# Allegro board 6089-103-RevA_73.brd (continued)
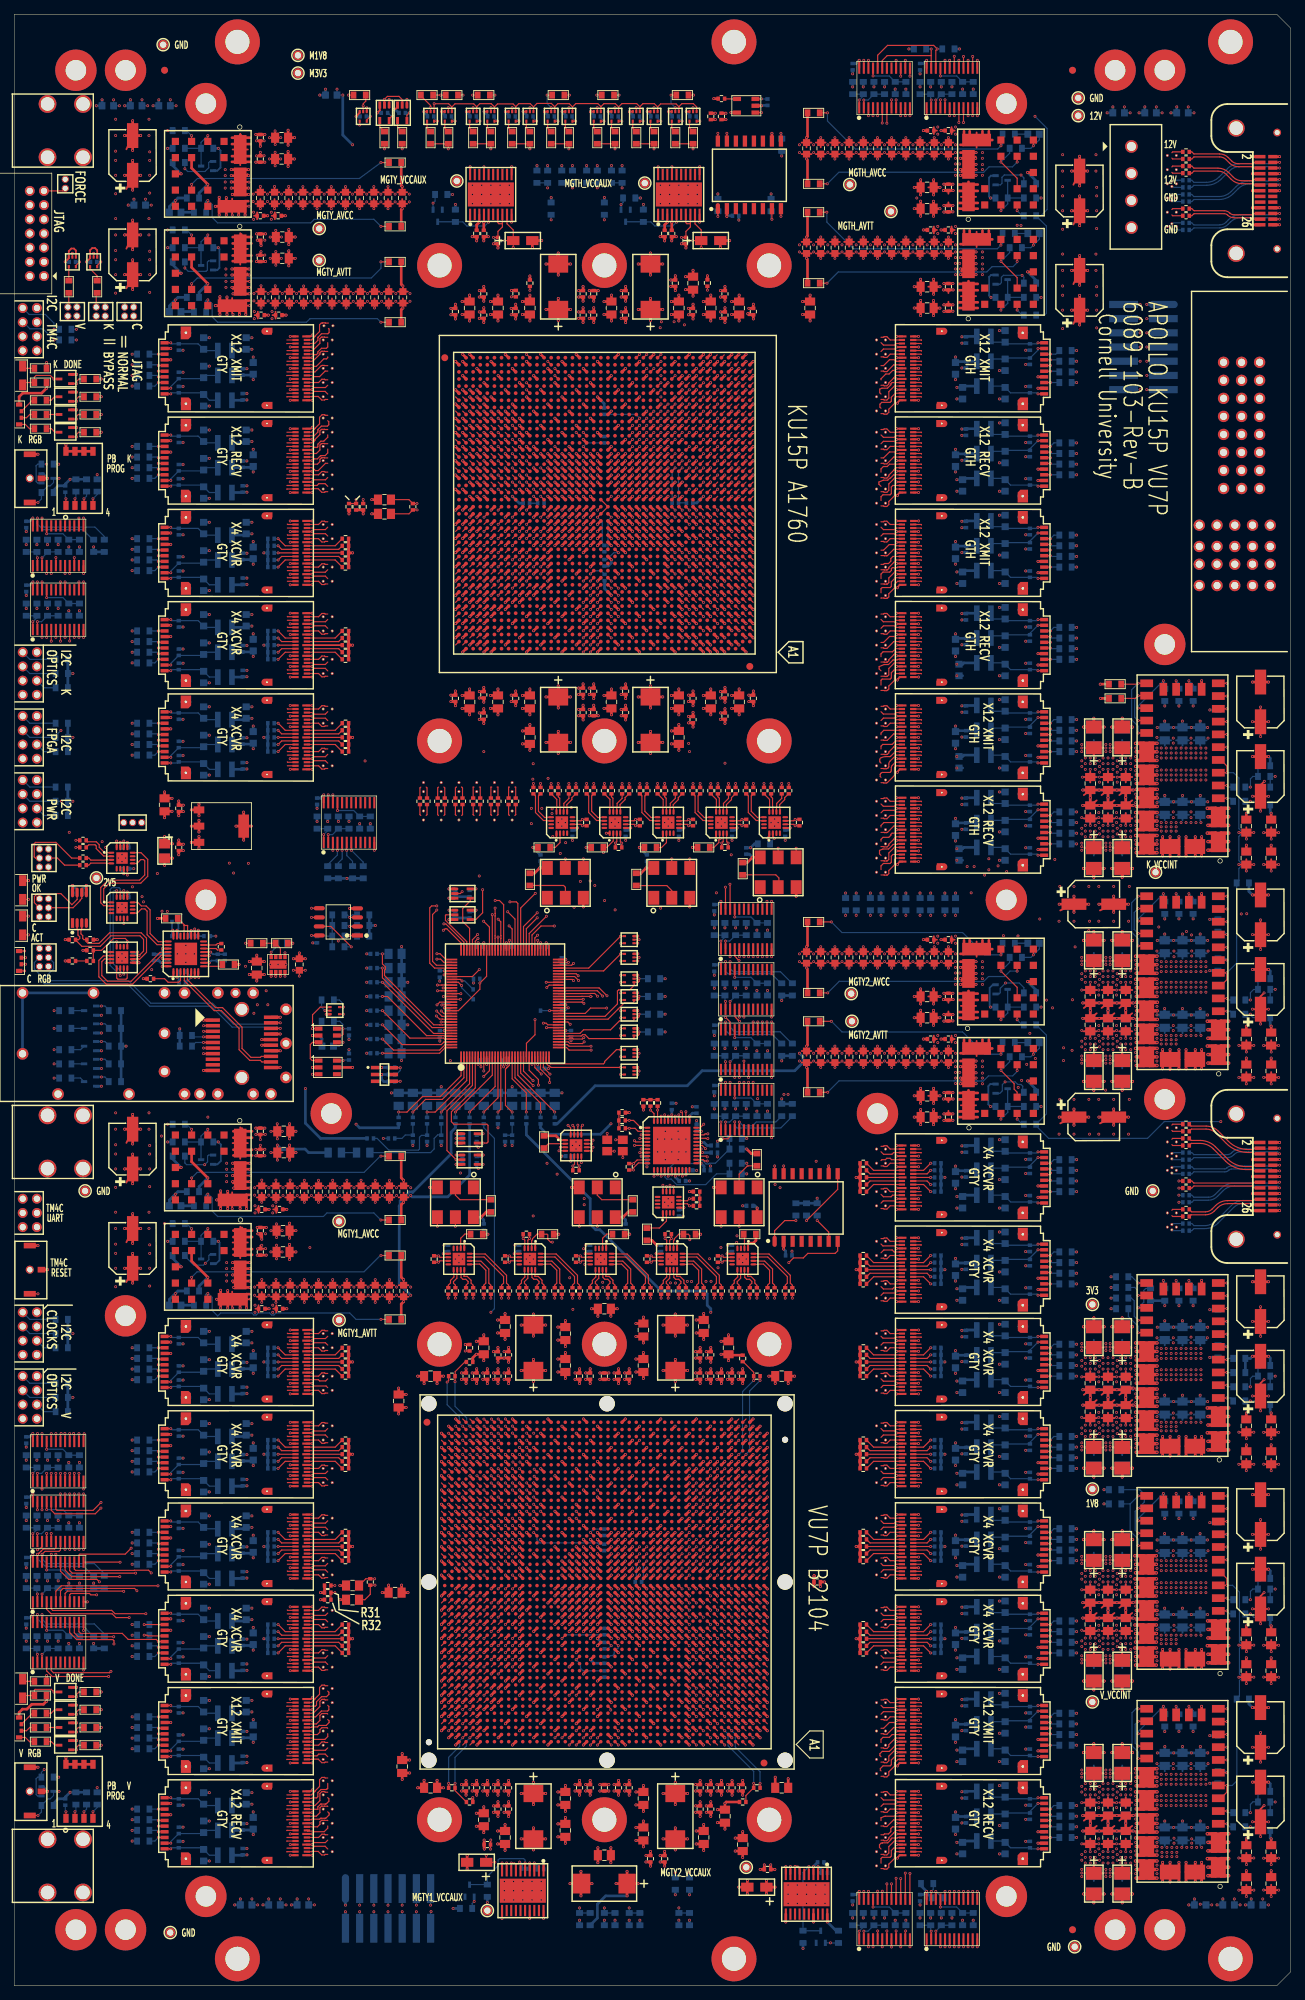
[diagram p0: board, top side]
## Routing (per net, layer and track width the routed paths; a pad name or vN(x,y) marks a point on that pad's centre or on a via; arc(x,y) is an arc through that point) (continued)
  GND1 w0.254: 23.25,139.14 U13.39 ; U13.39 24.01,140.9 ; U13.39 24.77,139.14 ; U13.39 23.25,140.66 ; U13.39 23.01,139.9 ; U13.39 24.77,140.66 ; U13.39 25.02,139.9 ; U13.39 24.01,138.9 ; 121.38,210.49 VA75.4 ; VA75.4 121.15,210.71 ; VA75.4 121.18,210.9 ; VA75.4 121.24,211.22 ; VA75.4 121.56,211.28 ; VA75.4 121.15,211.09 ; VA75.4 121.56,210.52 ; VA75.4 121.24,210.58 ; VA64.4 70.39,165.95 ; VA64.4 69.82,165.53 ; VA64.4 70.61,165.72 ; VA64.4 69.88,165.86 ; VA64.4 70.52,165.86 ; VA64.4 70.58,165.53 ; VA64.4 70.2,165.92 ; VA64.4 69.79,165.72 ; U30.G1 24.21,28.84 ; U30.G1 24.21,26.96 ; U30.G1 25.15,27.9 ; U30.G1 24.93,28.62 ; U30.G1 23.81,26.97 ; U30.G1 23.49,28.62 ; U30.G1 24.93,27.18 ; U30.G1 23.49,27.18 ; 64.79,165.72 VA60.4 ; VA60.4 65.52,165.86 ; VA60.4 64.82,165.53 ; VA60.4 65.61,165.72 ; VA60.4 65.2,165.92 ; VA60.4 65.58,165.53 ; VA60.4 65.39,165.95 ; VA60.4 64.88,165.86 ; VA124.3 123.02,45.31 ; VA124.3 122.83,44.52 ; VA124.3 123.25,44.71 ; VA124.3 123.25,45.09 ; VA124.3 122.83,45.28 ; VA124.3 123.16,45.22 ; VA124.3 123.22,44.9 ; VA124.3 123.16,44.58 ; VA136.3 123.25,17.09 ; VA136.3 122.83,16.52 ; VA136.3 123.25,16.71 ; VA136.3 122.83,17.28 ; VA136.3 123.16,17.22 ; VA136.3 123.16,16.58 ; VA136.3 123.22,16.9 ; VA136.3 123.02,17.31 ; 121.18,37.9 VA126.4 ; VA126.4 121.56,38.28 ; VA126.4 121.38,37.49 ; VA126.4 121.24,38.22 ; VA126.4 121.15,38.09 ; VA126.4 121.15,37.71 ; VA126.4 121.56,37.52 ; VA126.4 121.24,37.58 ; 43.15,34.09 43.56,33.9 ; 43.56,33.9 43.24,34.22 ; 43.56,33.9 43.56,34.28 ; 43.56,33.9 43.15,33.71 ; 43.56,33.9 43.24,33.58 ; 43.56,33.9 43.18,33.9 ; 43.56,33.9 43.56,33.52 ; 43.56,33.9 43.38,33.49 ; 43.24,38.22 43.56,37.9 ; 43.56,37.9 43.56,38.28 ; 43.56,37.9 43.18,37.9 ; 43.56,37.9 43.15,38.09 ; 43.56,37.9 43.56,37.52 ; 43.56,37.9 43.38,37.49 ; 43.56,37.9 43.24,37.58 ; 43.56,37.9 43.15,37.71 ; 162.24,116.58 VA145.4 ; VA145.4 162.56,116.52 ; VA145.4 162.15,116.71 ; VA145.4 162.15,117.09 ; VA145.4 162.56,117.28 ; VA145.4 162.24,117.22 ; VA145.4 162.38,116.49 ; VA145.4 162.18,116.9 ; 43.15,231.71 43.56,231.9 ; 43.56,231.9 43.56,231.52 ; 43.56,231.9 43.56,232.28 ; 43.56,231.9 43.18,231.9 ; 43.56,231.9 43.24,231.58 ; 43.56,231.9 43.24,232.22 ; 43.56,231.9 43.15,232.09 ; 43.56,231.9 43.38,231.49 ; U13.38 21.19,140.78 ; U13.38 22.07,139.9 ; U13.38 20.52,139.23 ; U13.38 21.86,139.23 ; U13.38 20.52,140.57 ; U13.38 21.19,139.02 ; U13.38 20.32,139.9 ; U13.38 21.86,140.57 ; 162.18,108.9 VA147.4 ; VA147.4 162.56,109.28 ; VA147.4 162.38,108.49 ; VA147.4 162.15,109.09 ; VA147.4 162.24,108.58 ; VA147.4 162.24,109.22 ; VA147.4 162.56,108.52 ; VA147.4 162.15,108.71 ; U22.G1 25.15,206.9 ; U22.G1 24.21,205.96 ; U22.G1 23.49,206.18 ; U22.G1 23.49,207.62 ; U22.G1 23.81,205.97 ; U22.G1 24.93,206.18 ; U22.G1 24.93,207.62 ; U22.G1 24.21,207.84 ; 163.84,257.9 164.25,257.71 ; 163.84,257.9 164.16,258.22 ; 163.84,257.9 164.02,258.31 ; 163.84,257.9 164.22,257.9 ; 163.84,257.9 164.25,258.09 ; 163.84,257.9 164.16,257.58 ; 163.84,257.9 163.84,258.28 ; 163.84,257.9 163.84,257.52 ; VA20.4 45.02,180.31 ; VA20.4 45.22,179.9 ; VA20.4 45.16,180.22 ; VA20.4 45.25,180.09 ; VA20.4 45.16,179.58 ; VA20.4 44.84,179.52 ; VA20.4 44.84,180.28 ; VA20.4 45.25,179.71 ; VA87.3 123.25,185.09 ; VA87.3 123.16,185.22 ; VA87.3 122.83,185.28 ; VA87.3 122.83,184.52 ; VA87.3 123.22,184.9 ; VA87.3 123.16,184.58 ; VA87.3 123.02,185.31 ; VA87.3 123.25,184.71 ; 160.5,111.12 PM24.1 ; PM24.1 159.83,111.33 ; PM24.1 161.38,112 ; PM24.1 160.5,112.88 ; PM24.1 159.83,112.67 ; PM24.1 159.62,112 ; PM24.1 161.17,111.33 ; PM24.1 161.17,112.67 ; 121.15,170.09 VA94.4 ; VA94.4 121.24,170.22 ; VA94.4 121.15,169.71 ; VA94.4 121.56,169.52 ; VA94.4 121.38,169.49 ; VA94.4 121.24,169.58 ; VA94.4 121.56,170.28 ; VA94.4 121.18,169.9 ; VA31.3 44.84,71.28 ; VA31.3 45.16,70.58 ; VA31.3 45.25,70.71 ; VA31.3 45.02,71.31 ; VA31.3 45.22,70.9 ; VA31.3 45.25,71.09 ; VA31.3 44.84,70.52 ; VA31.3 45.16,71.22 ; 121.24,99.22 VA107.4 ; VA107.4 121.24,98.58 ; VA107.4 121.56,99.28 ; VA107.4 121.56,98.52 ; VA107.4 121.15,98.71 ; VA107.4 121.18,98.9 ; VA107.4 121.38,98.49 ; VA107.4 121.15,99.09 ; U113.G1 142.91,69.18 ; U113.G1 142.19,68.96 ; U113.G1 141.25,69.9 ; U113.G1 141.79,68.97 ; U113.G1 141.47,69.18 ; U113.G1 142.19,70.84 ; U113.G1 142.91,70.62 ; U113.G1 141.47,70.62 ; VA36.4 45.02,53.31 ; VA36.4 45.16,53.22 ; VA36.4 45.22,52.9 ; VA36.4 45.25,52.71 ; VA36.4 45.16,52.58 ; VA36.4 45.25,53.09 ; VA36.4 44.84,53.28 ; VA36.4 44.84,52.52 ; 23.49,197.62 U22.G2 ; U22.G2 23.49,196.18 ; U22.G2 24.93,196.18 ; U22.G2 25.15,196.9 ; U22.G2 24.21,197.84 ; U22.G2 24.93,197.62 ; U22.G2 24.21,195.96 ; U22.G2 23.81,195.97 ; P1.P2-10 168.05,205.8 ; P1.P2-10 166.33,205.06 ; P1.P2-10 167.07,206.78 ; P1.P2-10 166.33,206.54 ; P1.P2-10 167.07,204.82 ; P1.P2-10 167.81,206.54 ; P1.P2-10 167.81,205.06 ; P1.P2-10 166.09,205.8 ; U111.G2 142.19,106.84 ; U111.G2 141.79,104.97 ; U111.G2 142.91,106.62 ; U111.G2 141.47,106.62 ; U111.G2 142.91,105.18 ; U111.G2 141.47,105.18 ; U111.G2 142.19,104.96 ; U111.G2 141.25,105.9 ; VA84.3 123.16,191.22 ; VA84.3 122.83,191.28 ; VA84.3 123.25,191.09 ; VA84.3 122.83,190.52 ; VA84.3 123.16,190.58 ; VA84.3 123.22,190.9 ; VA84.3 123.02,191.31 ; VA84.3 123.25,190.71 ; 121.18,192.9 VA83.4 ; VA83.4 121.24,192.58 ; VA83.4 121.56,192.52 ; VA83.4 121.24,193.22 ; VA83.4 121.38,192.49 ; VA83.4 121.15,193.09 ; VA83.4 121.56,193.28 ; VA83.4 121.15,192.71 ; 121.56,162.52 VA97.4 ; VA97.4 121.24,163.22 ; VA97.4 121.18,162.9 ; VA97.4 121.38,162.49 ; VA97.4 121.15,162.71 ; VA97.4 121.56,163.28 ; VA97.4 121.24,162.58 ; VA97.4 121.15,163.09 ; 121.38,221.49 VA70.4 ; VA70.4 121.18,221.9 ; VA70.4 121.56,221.52 ; VA70.4 121.24,222.22 ; VA70.4 121.24,221.58 ; VA70.4 121.56,222.28 ; VA70.4 121.15,222.09 ; VA70.4 121.15,221.71 ; VA114.4 122.83,77.28 ; VA114.4 123.25,77.09 ; VA114.4 123.25,76.71 ; VA114.4 122.83,76.52 ; VA114.4 123.02,77.31 ; VA114.4 123.16,77.22 ; VA114.4 123.16,76.58 ; VA114.4 123.22,76.9 ; VA81.3 123.22,197.9 ; VA81.3 123.25,197.71 ; VA81.3 123.25,198.09 ; VA81.3 122.83,197.52 ; VA81.3 123.16,198.22 ; VA81.3 122.83,198.28 ; VA81.3 123.16,197.58 ; VA81.3 123.02,198.31 ; U13.23 39.32,137.59 ; U13.23 39.07,136.83 ; U13.23 39.07,138.35 ; U13.23 38.31,136.59 ; U13.23 38.31,138.59 ; U13.23 37.55,138.35 ; U13.23 37.55,136.83 ; U13.23 37.31,137.59 ; 141.79,81.97 U112.G1 ; U112.G1 142.91,83.62 ; U112.G1 141.47,83.62 ; U112.G1 142.19,83.84 ; U112.G1 141.25,82.9 ; U112.G1 141.47,82.18 ; U112.G1 142.19,81.96 ; U112.G1 142.91,82.18 ; 23.81,218.97 U21.G1 ; U21.G1 24.21,218.96 ; U21.G1 24.21,220.84 ; U21.G1 24.93,219.18 ; U21.G1 23.49,220.62 ; U21.G1 23.49,219.18 ; U21.G1 24.93,220.62 ; U21.G1 25.15,219.9 ; 163.84,247.52 163.84,247.9 ; 163.84,247.9 164.22,247.9 ; 163.84,247.9 164.02,248.31 ; 163.84,247.9 163.84,248.28 ; 163.84,247.9 164.16,248.22 ; 163.84,247.9 164.16,247.58 ; 163.84,247.9 164.25,248.09 ; 163.84,247.9 164.25,247.71 ; P1.P2-9 168.05,202.8 ; P1.P2-9 166.09,202.8 ; P1.P2-9 166.33,203.54 ; P1.P2-9 166.33,202.06 ; P1.P2-9 167.07,201.82 ; P1.P2-9 167.81,203.54 ; P1.P2-9 167.81,202.06 ; P1.P2-9 167.07,203.78 ; VA15.3 45.25,197.71 ; VA15.3 45.16,197.58 ; VA15.3 44.84,198.28 ; VA15.3 45.16,198.22 ; VA15.3 44.84,197.52 ; VA15.3 45.22,197.9 ; VA15.3 45.02,198.31 ; VA15.3 45.25,198.09 ; 43.56,227.9 43.56,228.28 ; 43.56,227.9 43.56,227.52 ; 43.56,227.9 43.18,227.9 ; 43.56,227.9 43.15,227.71 ; 43.56,227.9 43.24,228.22 ; 43.56,227.9 43.15,228.09 ; 43.56,227.9 43.24,227.58 ; 43.56,227.9 43.38,227.49 ; 171.33,202.06 P1.P2-5 ; P1.P2-5 171.33,203.54 ; P1.P2-5 173.05,202.8 ; P1.P2-5 171.09,202.8 ; P1.P2-5 172.07,203.78 ; P1.P2-5 172.81,202.06 ; P1.P2-5 172.81,203.54 ; P1.P2-5 172.07,201.82 ; P1.P2-1 177.07,203.78 ; P1.P2-1 177.07,201.82 ; P1.P2-1 176.09,202.8 ; P1.P2-1 178.05,202.8 ; P1.P2-1 177.81,202.06 ; P1.P2-1 176.33,203.54 ; P1.P2-1 177.81,203.54 ; P1.P2-1 176.33,202.06 ; U115.G1 142.91,44.62 ; U115.G1 141.25,43.9 ; U115.G1 142.91,43.18 ; U115.G1 141.47,43.18 ; U115.G1 142.19,42.96 ; U115.G1 141.47,44.62 ; U115.G1 142.19,44.84 ; U115.G1 141.79,42.97 ; 163.84,108.9 163.84,109.28 ; 163.84,108.9 164.16,108.58 ; 163.84,108.9 164.22,108.9 ; 163.84,108.9 164.16,109.22 ; 163.84,108.9 164.25,109.09 ; 163.84,108.9 163.84,108.52 ; 163.84,108.9 164.02,109.31 ; 163.84,108.9 164.25,108.71 ; 121.24,176.22 VA91.4 ; VA91.4 121.56,175.52 ; VA91.4 121.38,175.49 ; VA91.4 121.15,176.09 ; VA91.4 121.18,175.9 ; VA91.4 121.24,175.58 ; VA91.4 121.15,175.71 ; VA91.4 121.56,176.28 ; VA23.3 45.02,172.31 ; VA23.3 45.16,172.22 ; VA23.3 44.84,171.52 ; VA23.3 45.22,171.9 ; VA23.3 44.84,172.28 ; VA23.3 45.16,171.58 ; VA23.3 45.25,172.09 ; VA23.3 45.25,171.71 ; VA43.4 44.84,36.28 ; VA43.4 44.84,35.52 ; VA43.4 45.02,36.31 ; VA43.4 45.22,35.9 ; VA43.4 45.25,35.71 ; VA43.4 45.25,36.09 ; VA43.4 45.16,35.58 ; VA43.4 45.16,36.22 ; 121.56,205.52 VA77.4 ; VA77.4 121.15,206.09 ; VA77.4 121.24,206.22 ; VA77.4 121.15,205.71 ; VA77.4 121.38,205.49 ; VA77.4 121.24,205.58 ; VA77.4 121.18,205.9 ; VA77.4 121.56,206.28 ; 141.79,26.97 U117.G2 ; U117.G2 142.19,28.84 ; U117.G2 142.19,26.96 ; U117.G2 141.25,27.9 ; U117.G2 142.91,27.18 ; U117.G2 141.47,28.62 ; U117.G2 142.91,28.62 ; U117.G2 141.47,27.18 ; 43.18,214.9 43.56,214.9 ; 43.56,214.9 43.15,215.09 ; 43.56,214.9 43.15,214.71 ; 43.56,214.9 43.56,215.28 ; 43.56,214.9 43.56,214.52 ; 43.56,214.9 43.24,215.22 ; 43.56,214.9 43.38,214.49 ; 43.56,214.9 43.24,214.58 ; VA58.4 63.02,165.86 ; VA58.4 63.08,165.53 ; VA58.4 62.38,165.86 ; VA58.4 62.29,165.72 ; VA58.4 62.32,165.53 ; VA58.4 62.7,165.92 ; VA58.4 63.11,165.72 ; VA58.4 62.89,165.95 ; 3.53,240.23 J1.1 ; J1.1 4.87,240.23 ; J1.1 5.08,240.9 ; J1.1 3.32,240.9 ; J1.1 4.2,240.02 ; J1.1 4.87,241.57 ; J1.1 4.2,241.78 ; J1.1 3.53,241.57 ; VA132.3 123.02,25.31 ; VA132.3 123.25,24.71 ; VA132.3 123.25,25.09 ; VA132.3 122.83,24.52 ; VA132.3 123.16,24.58 ; VA132.3 123.22,24.9 ; VA132.3 122.83,25.28 ; VA132.3 123.16,25.22 ; 64.82,164.26 65.2,164.26 ; 65.2,164.26 65.58,164.26 ; 65.2,164.26 65.61,164.08 ; 65.2,164.26 64.88,163.94 ; 65.2,164.26 64.79,164.08 ; 65.2,164.26 65.01,163.85 ; 65.2,164.26 65.52,163.94 ; 65.2,164.26 65.2,163.88 ; VA75.3 122.83,211.28 ; VA75.3 123.25,211.09 ; VA75.3 123.02,211.31 ; VA75.3 123.16,211.22 ; VA75.3 123.25,210.71 ; VA75.3 122.83,210.52 ; VA75.3 123.16,210.58 ; VA75.3 123.22,210.9 ; U13.26 36.2,126.53 ; U13.26 36.87,126.32 ; U13.26 36.2,124.77 ; U13.26 35.33,125.65 ; U13.26 35.53,126.32 ; U13.26 36.87,124.98 ; U13.26 37.08,125.65 ; U13.26 35.53,124.98 ; 44.84,78.52 VA28.4 ; VA28.4 45.22,78.9 ; VA28.4 45.16,78.58 ; VA28.4 45.25,78.71 ; VA28.4 45.16,79.22 ; VA28.4 45.25,79.09 ; VA28.4 44.84,79.28 ; VA28.4 45.02,79.31 ; P1.12 173.77,219.33 ; P1.12 173.77,217.85 ; P1.12 173.03,219.57 ; P1.12 173.03,217.61 ; P1.12 172.29,217.85 ; P1.12 172.05,218.59 ; P1.12 172.29,219.33 ; P1.12 174.01,218.59 ; U26.G1 25.15,79.9 ; U26.G1 24.93,80.62 ; U26.G1 23.49,80.62 ; U26.G1 24.21,80.84 ; U26.G1 23.49,79.18 ; U26.G1 24.93,79.18 ; U26.G1 24.21,78.96 ; U26.G1 23.81,78.97 ; 43.24,21.22 43.56,20.9 ; 43.56,20.9 43.15,21.09 ; 43.56,20.9 43.15,20.71 ; 43.56,20.9 43.24,20.58 ; 43.56,20.9 43.38,20.49 ; 43.56,20.9 43.56,21.28 ; 43.56,20.9 43.18,20.9 ; 43.56,20.9 43.56,20.52 ; 43.38,76.49 43.56,76.9 ; 43.56,76.9 43.15,77.09 ; 43.56,76.9 43.15,76.71 ; 43.56,76.9 43.56,76.52 ; 43.56,76.9 43.24,76.58 ; 43.56,76.9 43.24,77.22 ; 43.56,76.9 43.18,76.9 ; 43.56,76.9 43.56,77.28 ; VA90.3 123.22,177.9 ; VA90.3 122.83,178.28 ; VA90.3 122.83,177.52 ; VA90.3 123.25,178.09 ; VA90.3 123.02,178.31 ; VA90.3 123.16,178.22 ; VA90.3 123.16,177.58 ; VA90.3 123.25,177.71 ; U117.G1 142.91,17.18 ; U117.G1 142.19,16.96 ; U117.G1 141.47,17.18 ; U117.G1 141.47,18.62 ; U117.G1 141.79,16.97 ; U117.G1 142.91,18.62 ; U117.G1 141.25,17.9 ; U117.G1 142.19,18.84 ; 43.24,197.58 43.56,197.9 ; 43.56,197.9 43.38,197.49 ; 43.56,197.9 43.15,198.09 ; 43.56,197.9 43.56,197.52 ; 43.56,197.9 43.15,197.71 ; 43.56,197.9 43.24,198.22 ; 43.56,197.9 43.18,197.9 ; 43.56,197.9 43.56,198.28 ; 43.18,177.9 43.56,177.9 ; 43.56,177.9 43.24,178.22 ; 43.56,177.9 43.24,177.58 ; 43.56,177.9 43.15,178.09 ; 43.56,177.9 43.56,177.52 ; 43.56,177.9 43.38,177.49 ; 43.56,177.9 43.15,177.71 ; 43.56,177.9 43.56,178.28 ; VA86.3 123.22,186.9 ; VA86.3 122.83,187.28 ; VA86.3 123.25,186.71 ; VA86.3 123.02,187.31 ; VA86.3 123.16,187.22 ; VA86.3 123.16,186.58 ; VA86.3 123.25,187.09 ; VA86.3 122.83,186.52 ; 2.53,229.73 J2.8 ; J2.8 3.2,231.28 ; J2.8 3.87,231.07 ; J2.8 2.53,231.07 ; J2.8 2.32,230.4 ; J2.8 3.2,229.52 ; J2.8 4.08,230.4 ; J2.8 3.87,229.73 ; 44.84,199.52 VA14.3 ; VA14.3 45.16,200.22 ; VA14.3 45.22,199.9 ; VA14.3 45.16,199.58 ; VA14.3 45.25,200.09 ; VA14.3 45.25,199.71 ; VA14.3 44.84,200.28 ; VA14.3 45.02,200.31 ; 4.2,244.02 J1.5 ; J1.5 3.53,245.57 ; J1.5 5.08,244.9 ; J1.5 3.53,244.23 ; J1.5 4.87,244.23 ; J1.5 4.87,245.57 ; J1.5 3.32,244.9 ; J1.5 4.2,245.78 ; P1.11 173.77,216.79 ; P1.11 172.29,215.31 ; P1.11 172.05,216.05 ; P1.11 173.03,217.03 ; P1.11 172.29,216.79 ; P1.11 174.01,216.05 ; P1.11 173.03,215.07 ; P1.11 173.77,215.31 ; 163.84,106.52 163.84,106.9 ; 163.84,106.9 163.84,107.28 ; 163.84,106.9 164.25,106.71 ; 163.84,106.9 164.16,106.58 ; 163.84,106.9 164.16,107.22 ; 163.84,106.9 164.02,107.31 ; 163.84,106.9 164.22,106.9 ; 163.84,106.9 164.25,107.09 ; 43.38,186.49 43.56,186.9 ; 43.56,186.9 43.18,186.9 ; 43.56,186.9 43.56,187.28 ; 43.56,186.9 43.56,186.52 ; 43.56,186.9 43.24,186.58 ; 43.56,186.9 43.15,186.71 ; 43.56,186.9 43.24,187.22 ; 43.56,186.9 43.15,187.09 ; 162.56,247.52 VA142.4 ; VA142.4 162.15,248.09 ; VA142.4 162.24,248.22 ; VA142.4 162.38,247.49 ; VA142.4 162.24,247.58 ; VA142.4 162.56,248.28 ; VA142.4 162.15,247.71 ; VA142.4 162.18,247.9 ; P1.10 173.03,214.49 ; P1.10 173.77,214.25 ; P1.10 174.01,213.51 ; P1.10 172.05,213.51 ; P1.10 172.29,214.25 ; P1.10 173.03,212.53 ; P1.10 173.77,212.77 ; P1.10 172.29,212.77 ; 121.15,217.09 VA72.4 ; VA72.4 121.24,216.58 ; VA72.4 121.15,216.71 ; VA72.4 121.56,217.28 ; VA72.4 121.24,217.22 ; VA72.4 121.18,216.9 ; VA72.4 121.38,216.49 ; VA72.4 121.56,216.52 ; P1.P2-3 174.57,203.78 ; P1.P2-3 175.31,202.06 ; P1.P2-3 174.57,201.82 ; P1.P2-3 175.31,203.54 ; P1.P2-3 173.83,202.06 ; P1.P2-3 175.55,202.8 ; P1.P2-3 173.59,202.8 ; P1.P2-3 173.83,203.54 ; VA102.4 123.16,115.58 ; VA102.4 123.25,116.09 ; VA102.4 122.83,116.28 ; VA102.4 123.02,116.31 ; VA102.4 123.16,116.22 ; VA102.4 123.25,115.71 ; VA102.4 122.83,115.52 ; VA102.4 123.22,115.9 ; P1.P2-4 175.31,205.06 ; P1.P2-4 174.57,206.78 ; P1.P2-4 173.83,205.06 ; P1.P2-4 175.31,206.54 ; P1.P2-4 173.83,206.54 ; P1.P2-4 173.59,205.8 ; P1.P2-4 174.57,204.82 ; P1.P2-4 175.55,205.8 ; 27.95,140.66 U13.40 ; U13.40 29.71,139.9 ; U13.40 28.71,140.9 ; U13.40 28.71,138.9 ; U13.40 29.47,139.14 ; U13.40 27.95,139.14 ; U13.40 29.47,140.66 ; U13.40 27.71,139.9 ; 121.56,39.52 VA125.4 ; VA125.4 121.15,40.09 ; VA125.4 121.18,39.9 ; VA125.4 121.38,39.49 ; VA125.4 121.24,40.22 ; VA125.4 121.15,39.71 ; VA125.4 121.24,39.58 ; VA125.4 121.56,40.28 ; VA27.3 45.25,83.71 ; VA27.3 44.84,83.52 ; VA27.3 45.16,84.22 ; VA27.3 45.25,84.09 ; VA27.3 45.02,84.31 ; VA27.3 44.84,84.28 ; VA27.3 45.16,83.58 ; VA27.3 45.22,83.9 ; VA50.4 44.84,21.28 ; VA50.4 45.16,21.22 ; VA50.4 45.16,20.58 ; VA50.4 45.25,20.71 ; VA50.4 45.22,20.9 ; VA50.4 45.02,21.31 ; VA50.4 44.84,20.52 ; VA50.4 45.25,21.09 ; 44.84,44.52 VA39.3 ; VA39.3 45.25,44.71 ; VA39.3 45.25,45.09 ; VA39.3 45.22,44.9 ; VA39.3 45.02,45.31 ; VA39.3 45.16,44.58 ; VA39.3 45.16,45.22 ; VA39.3 44.84,45.28 ; 122.83,39.52 VA125.3 ; VA125.3 123.02,40.31 ; VA125.3 123.25,39.71 ; VA125.3 123.16,39.58 ; VA125.3 123.22,39.9 ; VA125.3 123.16,40.22 ; VA125.3 123.25,40.09 ; VA125.3 122.83,40.28 ; 20.52,134.88 U13.36 ; U13.36 21.19,135.09 ; U13.36 22.07,134.21 ; U13.36 20.52,133.54 ; U13.36 21.86,134.88 ; U13.36 21.19,133.33 ; U13.36 21.86,133.54 ; U13.36 20.32,134.21 ; VA109.4 123.16,92.22 ; VA109.4 122.83,91.52 ; VA109.4 123.25,92.09 ; VA109.4 123.22,91.9 ; VA109.4 123.02,92.31 ; VA109.4 122.83,92.28 ; VA109.4 123.16,91.58 ; VA109.4 123.25,91.71 ; 69.79,168.08 70.2,168.26 ; 70.2,168.26 70.58,168.26 ; 70.2,168.26 70.2,167.88 ; 70.2,168.26 70.52,167.94 ; 70.2,168.26 69.88,167.94 ; 70.2,168.26 70.61,168.08 ; 70.2,168.26 69.82,168.26 ; 70.2,168.26 70.01,167.85 ; VA47.4 45.02,27.31 ; VA47.4 45.16,27.22 ; VA47.4 45.25,27.09 ; VA47.4 44.84,27.28 ; VA47.4 45.25,26.71 ; VA47.4 45.22,26.9 ; VA47.4 44.84,26.52 ; VA47.4 45.16,26.58 ; 43.15,185.09 43.56,184.9 ; 43.56,184.9 43.18,184.9 ; 43.56,184.9 43.15,184.71 ; 43.56,184.9 43.56,184.52 ; 43.56,184.9 43.38,184.49 ; 43.56,184.9 43.56,185.28 ; 43.56,184.9 43.24,185.22 ; 43.56,184.9 43.24,184.58 ; VA105.4 123.25,104.71 ; VA105.4 123.16,105.22 ; VA105.4 122.83,105.28 ; VA105.4 123.16,104.58 ; VA105.4 123.25,105.09 ; VA105.4 122.83,104.52 ; VA105.4 123.22,104.9 ; VA105.4 123.02,105.31 ; 43.15,22.71 43.56,22.9 ; 43.56,22.9 43.18,22.9 ; 43.56,22.9 43.24,22.58 ; 43.56,22.9 43.56,23.28 ; 43.56,22.9 43.24,23.22 ; 43.56,22.9 43.38,22.49 ; 43.56,22.9 43.56,22.52 ; 43.56,22.9 43.15,23.09 ; 43.15,70.71 43.56,70.9 ; 43.56,70.9 43.56,70.52 ; 43.56,70.9 43.24,71.22 ; 43.56,70.9 43.38,70.49 ; 43.56,70.9 43.56,71.28 ; 43.56,70.9 43.24,70.58 ; 43.56,70.9 43.18,70.9 ; 43.56,70.9 43.15,71.09 ; VA116.3 123.25,70.71 ; VA116.3 123.16,70.58 ; VA116.3 122.83,70.52 ; VA116.3 123.16,71.22 ; VA116.3 122.83,71.28 ; VA116.3 123.25,71.09 ; VA116.3 123.22,70.9 ; VA116.3 123.02,71.31 ; 2.53,181.23 J3.8 ; J3.8 3.2,182.78 ; J3.8 2.32,181.9 ; J3.8 4.08,181.9 ; J3.8 3.87,181.23 ; J3.8 3.87,182.57 ; J3.8 2.53,182.57 ; J3.8 3.2,181.02 ; VA68.3 123.25,225.71 ; VA68.3 123.25,226.09 ; VA68.3 123.16,226.22 ; VA68.3 123.02,226.31 ; VA68.3 123.16,225.58 ; VA68.3 123.22,225.9 ; VA68.3 122.83,225.52 ; VA68.3 122.83,226.28 ; J7.7 2.07,89.28 ; J7.7 1.87,88.23 ; J7.7 1.2,89.78 ; J7.7 1.2,88.02 ; J7.7 2.08,88.9 ; J7.7 1.58,89.77 ; J7.7 2.07,88.52 ; J7.7 1.87,89.57 ; 141.25,222.9 U104.G1 ; U104.G1 141.47,223.62 ; U104.G1 141.47,222.18 ; U104.G1 141.79,221.97 ; U104.G1 142.91,222.18 ; U104.G1 142.91,223.62 ; U104.G1 142.19,221.96 ; U104.G1 142.19,223.84 ; VA79.3 123.25,202.09 ; VA79.3 123.22,201.9 ; VA79.3 123.02,202.31 ; VA79.3 122.83,201.52 ; VA79.3 123.16,202.22 ; VA79.3 123.25,201.71 ; VA79.3 123.16,201.58 ; VA79.3 122.83,202.28 ; 121.24,167.22 VA95.4 ; VA95.4 121.24,166.58 ; VA95.4 121.56,167.28 ; VA95.4 121.18,166.9 ; VA95.4 121.56,166.52 ; VA95.4 121.15,166.71 ; VA95.4 121.38,166.49 ; VA95.4 121.15,167.09 ; VA106.4 123.25,102.71 ; VA106.4 122.83,102.52 ; VA106.4 123.16,102.58 ; VA106.4 123.16,103.22 ; VA106.4 122.83,103.28 ; VA106.4 123.22,102.9 ; VA106.4 123.02,103.31 ; VA106.4 123.25,103.09 ; VA98.3 122.83,161.28 ; VA98.3 123.25,160.71 ; VA98.3 123.25,161.09 ; VA98.3 123.16,161.22 ; VA98.3 123.22,160.9 ; VA98.3 122.83,160.52 ; VA98.3 123.02,161.31 ; VA98.3 123.16,160.58 ; U108.G2 142.19,181.84 ; U108.G2 142.91,181.62 ; U108.G2 142.91,180.18 ; U108.G2 141.47,180.18 ; U108.G2 141.47,181.62 ; U108.G2 141.79,179.97 ; U108.G2 142.19,179.96 ; U108.G2 141.25,180.9 ; 121.38,179.49 VA89.4 ; VA89.4 121.18,179.9 ; VA89.4 121.15,179.71 ; VA89.4 121.24,180.22 ; VA89.4 121.24,179.58 ; VA89.4 121.56,179.52 ; VA89.4 121.15,180.09 ; VA89.4 121.56,180.28 ; 163.84,116.9 164.25,117.09 ; 163.84,116.9 164.02,117.31 ; 163.84,116.9 164.16,117.22 ; 163.84,116.9 164.16,116.58 ; 163.84,116.9 163.84,117.28 ; 163.84,116.9 163.84,116.52 ; 163.84,116.9 164.22,116.9 ; 163.84,116.9 164.25,116.71 ; VA130.3 123.25,29.71 ; VA130.3 123.22,29.9 ; VA130.3 123.16,30.22 ; VA130.3 123.02,30.31 ; VA130.3 122.83,30.28 ; VA130.3 122.83,29.52 ; VA130.3 123.25,30.09 ; VA130.3 123.16,29.58 ; 62.32,169.53 VA57.4 ; VA57.4 62.38,169.86 ; VA57.4 63.02,169.86 ; VA57.4 62.7,169.92 ; VA57.4 63.08,169.53 ; VA57.4 62.89,169.95 ; VA57.4 63.11,169.72 ; VA57.4 62.29,169.72 ; 57.7,168.26 58.11,168.08 ; 57.7,168.26 58.02,167.94 ; 57.7,168.26 57.32,168.26 ; 57.7,168.26 57.7,167.88 ; 57.7,168.26 57.51,167.85 ; 57.7,168.26 57.29,168.08 ; 57.7,168.26 58.08,168.26 ; 57.7,168.26 57.38,167.94 ; 121.24,208.58 VA76.4 ; VA76.4 121.18,208.9 ; VA76.4 121.15,208.71 ; VA76.4 121.56,208.52 ; VA76.4 121.38,208.49 ; VA76.4 121.24,209.22 ; VA76.4 